# EAGLE board working (EAGLE 9.6.2), part 7 of 28
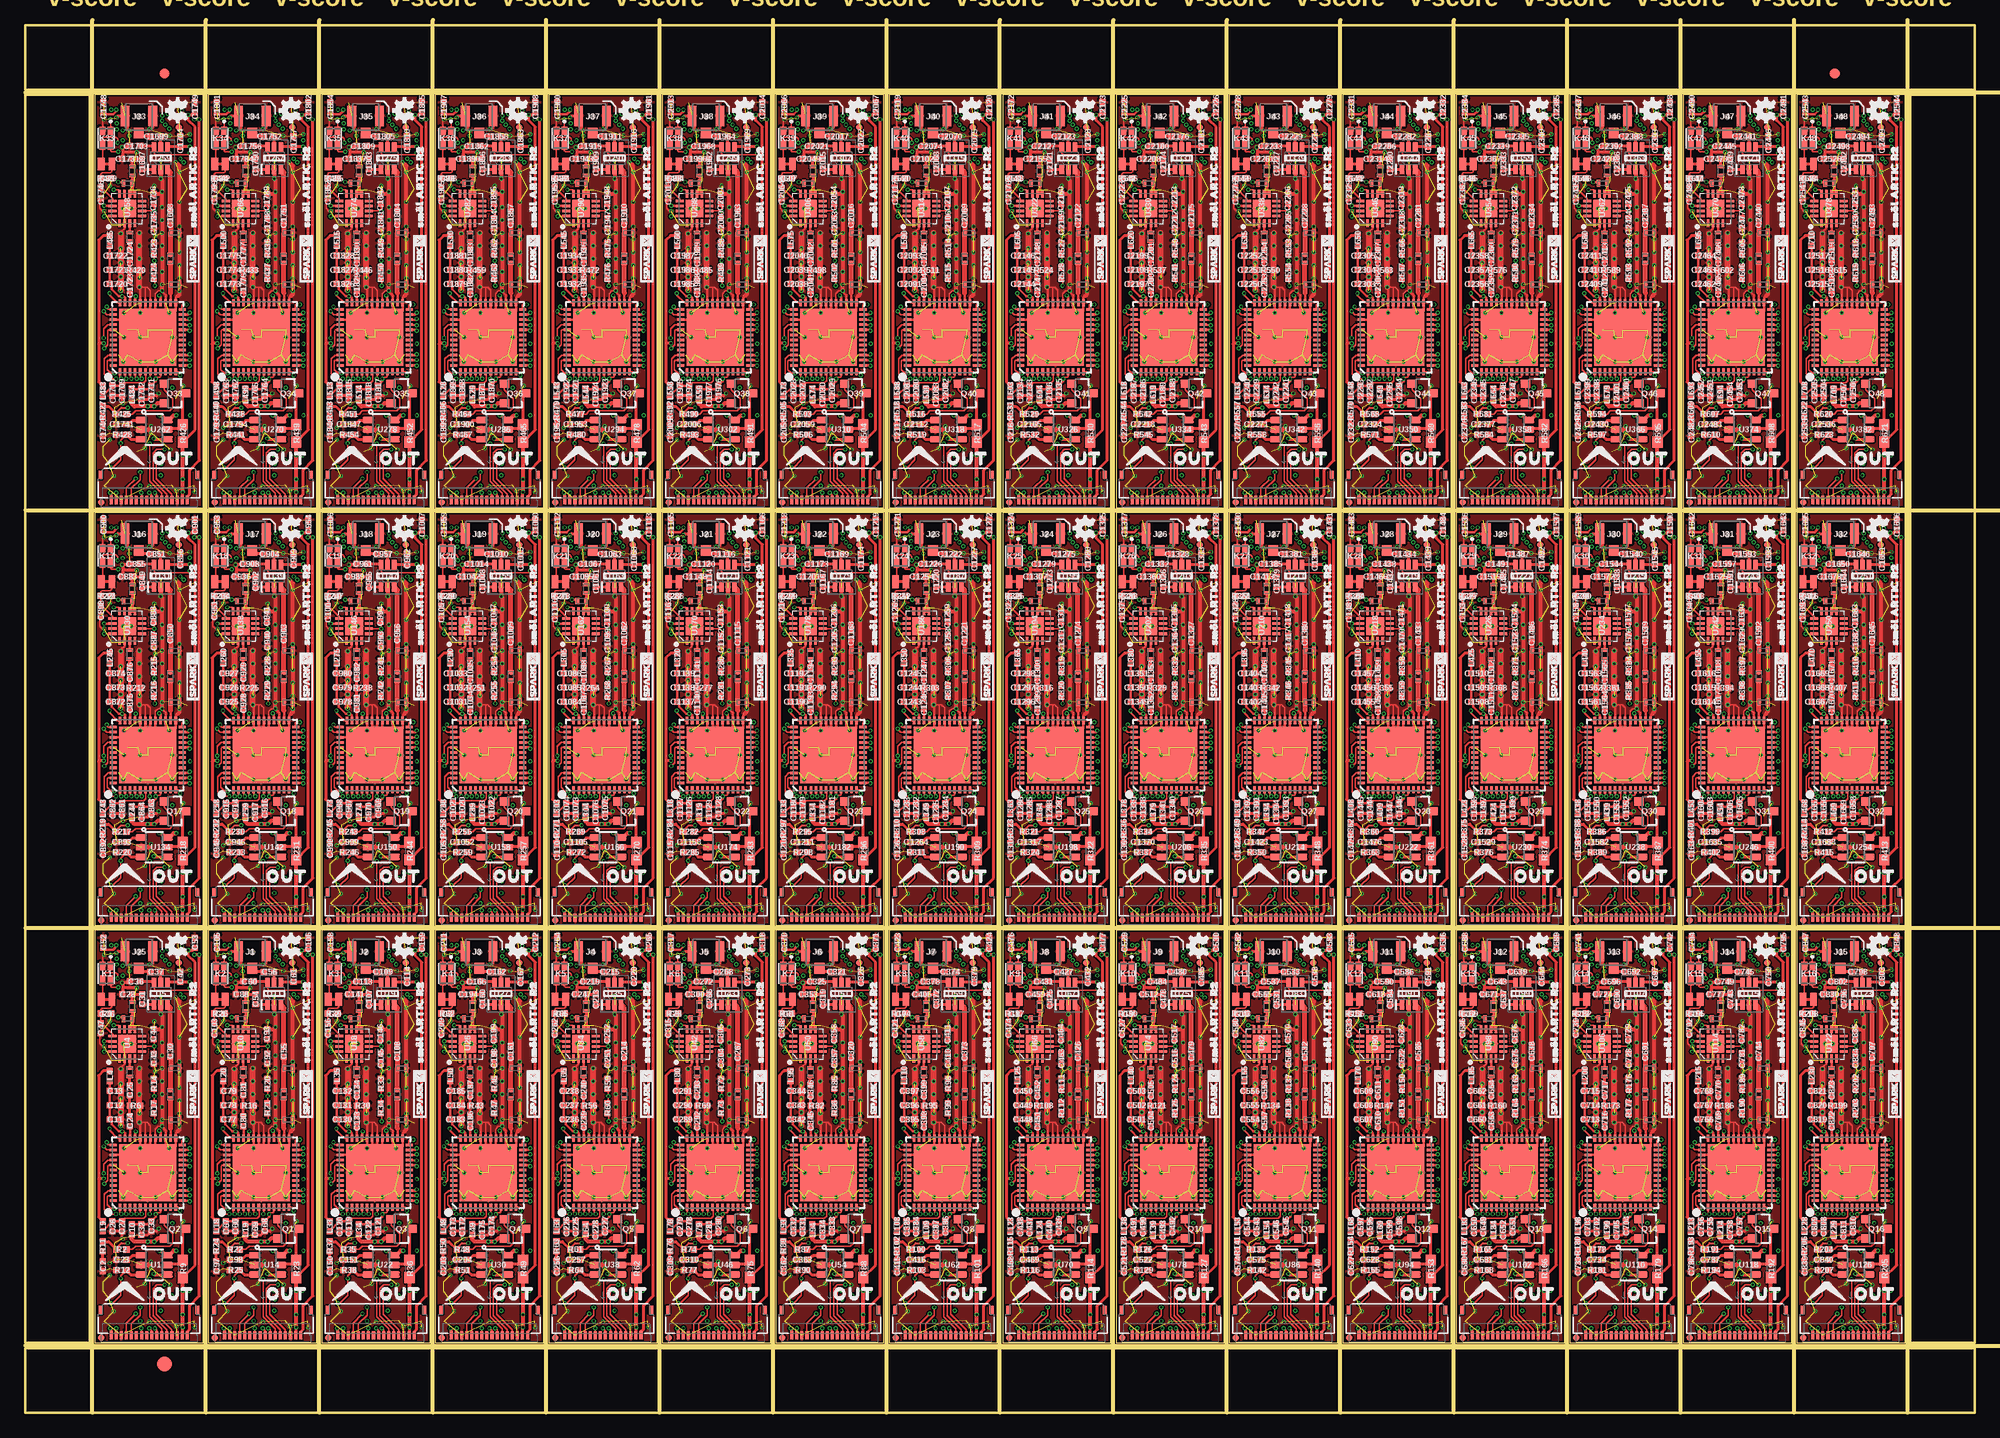
[diagram p0: board, top side]
## Library data of the parts
1V1-1V48 3V0 3V1-3V47 CS0 CS1-CS47 FLSH_CEN FLSH_CEN1-FLSH_CEN47 FLSH_SCLK FLSH_SCLK1-FLSH_SCLK47 FLSH_SI FLSH_SI1-FLSH_SI47 FLSH_SO FLSH_SO1-FLSH_SO47 GPIO0 GPIO1-GPIO47 VDD VDD1-VDD47 = SparkFun-Connectors
C1 C15 C16 C20 C44 C45 C48 C52 C53 C59 C84 C86 C90 C93 C96 C99 C105 C106 C112 C137 C139 C143 C146 C149 C152 C158 C159 C165 C190 C192 C196 C199 C202 C205 C211 C212 C218 C243 C245 C249 C252 C255 C258 C264 C265 C271 C296 C298 C302 C305 C308 C311 C317 C318 C324 C349 C351 C355 C358 C361 C364 C370 C371 C377 C402 C404 C408 C411 C414 C417 C423 C424 C430 C455 C457 C461 C464 C467 C470 C476 C477 C483 C508 C510 C514 C517 C520 C523 C529 C530 C536 C561 C563 C567 C570 C573 C576 C582 C583 C589 C614 C616 C620 C623 C626 C629 C635 C636 C642 C667 C669 C673 C676 C679 C682 C688 C689 C695 C720 C722 C726 C729 C732 C735 C741 C742 C748 C773 C775 C779 C782 C785 C788 C794 C795 C801 C826 C828 C832 C835 C838 C841 C847 C848 C854 C879 C881 C885 C888 C891 C894 C900 C901 C907 C932 C934 C938 C941 C944 C947 C953 C954 C960 C985 C987 C991 C994 C997 C1000 C1006 C1007 C1013 C1038 C1040 C1044 C1047 C1050 C1053 C1059 C1060 C1066 C1091 C1093 C1097 C1100 C1103 C1106 C1112 C1113 C1119 C1144 C1146 C1150 C1153 C1156 C1159 C1165 C1166 C1172 C1197 C1199 C1203 C1206 C1209 C1212 C1218 C1219 C1225 C1250 C1252 C1256 C1259 C1262 C1265 C1271 C1272 C1278 C1303 C1305 C1309 C1312 C1315 C1318 C1324 C1325 C1331 C1356 C1358 C1362 C1365 C1368 C1371 C1377 C1378 C1384 C1409 C1411 C1415 C1418 C1421 C1424 C1430 C1431 C1437 C1462 C1464 C1468 C1471 C1474 C1477 C1483 C1484 C1490 C1515 C1517 C1521 C1524 C1527 C1530 C1536 C1537 C1543 C1568 C1570 C1574 C1577 C1580 C1583 C1589 C1590 C1596 C1621 C1623 C1627 C1630 C1633 C1636 C1642 C1643 C1649 C1674 C1676 C1680 C1683 C1686 C1689 C1695 C1696 C1702 C1727 C1729 C1733 C1736 C1739 C1742 C1748 C1749 C1755 C1780 C1782 C1786 C1789 C1792 C1795 C1801 C1802 C1808 C1833 C1835 C1839 C1842 C1845 C1848 C1854 C1855 C1861 C1886 C1888 C1892 C1895 C1898 C1901 C1907 C1908 C1914 C1939 C1941 C1945 C1948 C1951 C1954 C1960 C1961 C1967 C1992 C1994 C1998 C2001 C2004 C2007 C2013 C2014 C2020 C2045 C2047 C2051 C2054 C2057 C2060 C2066 C2067 C2073 C2098 C2100 C2104 C2107 C2110 C2113 C2119 C2120 C2126 C2151 C2153 C2157 C2160 C2163 C2166 C2172 C2173 C2179 C2204 C2206 C2210 C2213 C2216 C2219 C2225 C2226 C2232 C2257 C2259 C2263 C2266 C2269 C2272 C2278 C2279 C2285 C2310 C2312 C2316 C2319 C2322 C2325 C2331 C2332 C2338 C2363 C2365 C2369 C2372 C2375 C2378 C2384 C2385 C2391 C2416 C2418 C2422 C2425 C2428 C2431 C2437 C2438 C2444 C2469 C2471 C2475 C2478 C2481 C2484 C2490 C2491 C2497 C2522 C2524 C2528 C2531 C2534 C2537 C2543 C2544 = SparkFun-Capacitors; PROD_ID: CAP-14232
C2 C97 C150 C203 C256 C309 C362 C415 C468 C521 C574 C627 C680 C733 C786 C839 C892 C945 C998 C1051 C1104 C1157 C1210 C1263 C1316 C1369 C1422 C1475 C1528 C1581 C1634 C1687 C1740 C1793 C1846 C1899 C1952 C2005 C2058 C2111 C2164 C2217 C2270 C2323 C2376 C2429 C2482 C2535 = SparkFun-Capacitors; PROD_ID: CAP-14847
C3 C4 C9 C12 C23 C46 C57 C58 C74 C78 C98 C101 C110 C111 C127 C131 C151 C154 C163 C164 C180 C184 C204 C207 C216 C217 C233 C237 C257 C260 C269 C270 C286 C290 C310 C313 C322 C323 C339 C343 C363 C366 C375 C376 C392 C396 C416 C419 C428 C429 C445 C449 C469 C472 C481 C482 C498 C502 C522 C525 C534 C535 C551 C555 C575 C578 C587 C588 C604 C608 C628 C631 C640 C641 C657 C661 C681 C684 C693 C694 C710 C714 C734 C737 C746 C747 C763 C767 C787 C790 C799 C800 C816 C820 C840 C843 C852 C853 C869 C873 C893 C896 C905 C906 C922 C926 C946 C949 C958 C959 C975 C979 C999 C1002 C1011 C1012 C1028 C1032 C1052 C1055 C1064 C1065 C1081 C1085 C1105 C1108 C1117 C1118 C1134 C1138 C1158 C1161 C1170 C1171 C1187 C1191 C1211 C1214 C1223 C1224 C1240 C1244 C1264 C1267 C1276 C1277 C1293 C1297 C1317 C1320 C1329 C1330 C1346 C1350 C1370 C1373 C1382 C1383 C1399 C1403 C1423 C1426 C1435 C1436 C1452 C1456 C1476 C1479 C1488 C1489 C1505 C1509 C1529 C1532 C1541 C1542 C1558 C1562 C1582 C1585 C1594 C1595 C1611 C1615 C1635 C1638 C1647 C1648 C1664 C1668 C1688 C1691 C1700 C1701 C1717 C1721 C1741 C1744 C1753 C1754 C1770 C1774 C1794 C1797 C1806 C1807 C1823 C1827 C1847 C1850 C1859 C1860 C1876 C1880 C1900 C1903 C1912 C1913 C1929 C1933 C1953 C1956 C1965 C1966 C1982 C1986 C2006 C2009 C2018 C2019 C2035 C2039 C2059 C2062 C2071 C2072 C2088 C2092 C2112 C2115 C2124 C2125 C2141 C2145 C2165 C2168 C2177 C2178 C2194 C2198 C2218 C2221 C2230 C2231 C2247 C2251 C2271 C2274 C2283 C2284 C2300 C2304 C2324 C2327 C2336 C2337 C2353 C2357 C2377 C2380 C2389 C2390 C2406 C2410 C2430 C2433 C2442 C2443 C2459 C2463 C2483 C2486 C2495 C2496 C2512 C2516 C2536 C2539 = SparkFun-Capacitors; PROD_ID: CAP-12417
C5 C7 C18 C27 C33 C34 C39 C40 C62 C64 C66 C68 C70 C72 C85 C94 C115 C117 C119 C121 C123 C125 C138 C147 C168 C170 C172 C174 C176 C178 C191 C200 C221 C223 C225 C227 C229 C231 C244 C253 C274 C276 C278 C280 C282 C284 C297 C306 C327 C329 C331 C333 C335 C337 C350 C359 C380 C382 C384 C386 C388 C390 C403 C412 C433 C435 C437 C439 C441 C443 C456 C465 C486 C488 C490 C492 C494 C496 C509 C518 C539 C541 C543 C545 C547 C549 C562 C571 C592 C594 C596 C598 C600 C602 C615 C624 C645 C647 C649 C651 C653 C655 C668 C677 C698 C700 C702 C704 C706 C708 C721 C730 C751 C753 C755 C757 C759 C761 C774 C783 C804 C806 C808 C810 C812 C814 C827 C836 C857 C859 C861 C863 C865 C867 C880 C889 C910 C912 C914 C916 C918 C920 C933 C942 C963 C965 C967 C969 C971 C973 C986 C995 C1016 C1018 C1020 C1022 C1024 C1026 C1039 C1048 C1069 C1071 C1073 C1075 C1077 C1079 C1092 C1101 C1122 C1124 C1126 C1128 C1130 C1132 C1145 C1154 C1175 C1177 C1179 C1181 C1183 C1185 C1198 C1207 C1228 C1230 C1232 C1234 C1236 C1238 C1251 C1260 C1281 C1283 C1285 C1287 C1289 C1291 C1304 C1313 C1334 C1336 C1338 C1340 C1342 C1344 C1357 C1366 C1387 C1389 C1391 C1393 C1395 C1397 C1410 C1419 C1440 C1442 C1444 C1446 C1448 C1450 C1463 C1472 C1493 C1495 C1497 C1499 C1501 C1503 C1516 C1525 C1546 C1548 C1550 C1552 C1554 C1556 C1569 C1578 C1599 C1601 C1603 C1605 C1607 C1609 C1622 C1631 C1652 C1654 C1656 C1658 C1660 C1662 C1675 C1684 C1705 C1707 C1709 C1711 C1713 C1715 C1728 C1737 C1758 C1760 C1762 C1764 C1766 C1768 C1781 C1790 C1811 C1813 C1815 C1817 C1819 C1821 C1834 C1843 C1864 C1866 C1868 C1870 C1872 C1874 C1887 C1896 C1917 C1919 C1921 C1923 C1925 C1927 C1940 C1949 C1970 C1972 C1974 C1976 C1978 C1980 C1993 C2002 C2023 C2025 C2027 C2029 C2031 C2033 C2046 C2055 C2076 C2078 C2080 C2082 C2084 C2086 C2099 C2108 C2129 C2131 C2133 C2135 C2137 C2139 C2152 C2161 C2182 C2184 C2186 C2188 C2190 C2192 C2205 C2214 C2235 C2237 C2239 C2241 C2243 C2245 C2258 C2267 C2288 C2290 C2292 C2294 C2296 C2298 C2311 C2320 C2341 C2343 C2345 C2347 C2349 C2351 C2364 C2373 C2394 C2396 C2398 C2400 C2402 C2404 C2417 C2426 C2447 C2449 C2451 C2453 C2455 C2457 C2470 C2479 C2500 C2502 C2504 C2506 C2508 C2510 C2523 C2532 = SparkFun-Capacitors; PROD_ID: CAP-14674
C6 C8 C26 C32 C35 C38 C41 C50 C63 C65 C67 C69 C71 C73 C95 C102 C116 C118 C120 C122 C124 C126 C148 C155 C169 C171 C173 C175 C177 C179 C201 C208 C222 C224 C226 C228 C230 C232 C254 C261 C275 C277 C279 C281 C283 C285 C307 C314 C328 C330 C332 C334 C336 C338 C360 C367 C381 C383 C385 C387 C389 C391 C413 C420 C434 C436 C438 C440 C442 C444 C466 C473 C487 C489 C491 C493 C495 C497 C519 C526 C540 C542 C544 C546 C548 C550 C572 C579 C593 C595 C597 C599 C601 C603 C625 C632 C646 C648 C650 C652 C654 C656 C678 C685 C699 C701 C703 C705 C707 C709 C731 C738 C752 C754 C756 C758 C760 C762 C784 C791 C805 C807 C809 C811 C813 C815 C837 C844 C858 C860 C862 C864 C866 C868 C890 C897 C911 C913 C915 C917 C919 C921 C943 C950 C964 C966 C968 C970 C972 C974 C996 C1003 C1017 C1019 C1021 C1023 C1025 C1027 C1049 C1056 C1070 C1072 C1074 C1076 C1078 C1080 C1102 C1109 C1123 C1125 C1127 C1129 C1131 C1133 C1155 C1162 C1176 C1178 C1180 C1182 C1184 C1186 C1208 C1215 C1229 C1231 C1233 C1235 C1237 C1239 C1261 C1268 C1282 C1284 C1286 C1288 C1290 C1292 C1314 C1321 C1335 C1337 C1339 C1341 C1343 C1345 C1367 C1374 C1388 C1390 C1392 C1394 C1396 C1398 C1420 C1427 C1441 C1443 C1445 C1447 C1449 C1451 C1473 C1480 C1494 C1496 C1498 C1500 C1502 C1504 C1526 C1533 C1547 C1549 C1551 C1553 C1555 C1557 C1579 C1586 C1600 C1602 C1604 C1606 C1608 C1610 C1632 C1639 C1653 C1655 C1657 C1659 C1661 C1663 C1685 C1692 C1706 C1708 C1710 C1712 C1714 C1716 C1738 C1745 C1759 C1761 C1763 C1765 C1767 C1769 C1791 C1798 C1812 C1814 C1816 C1818 C1820 C1822 C1844 C1851 C1865 C1867 C1869 C1871 C1873 C1875 C1897 C1904 C1918 C1920 C1922 C1924 C1926 C1928 C1950 C1957 C1971 C1973 C1975 C1977 C1979 C1981 C2003 C2010 C2024 C2026 C2028 C2030 C2032 C2034 C2056 C2063 C2077 C2079 C2081 C2083 C2085 C2087 C2109 C2116 C2130 C2132 C2134 C2136 C2138 C2140 C2162 C2169 C2183 C2185 C2187 C2189 C2191 C2193 C2215 C2222 C2236 C2238 C2240 C2242 C2244 C2246 C2268 C2275 C2289 C2291 C2293 C2295 C2297 C2299 C2321 C2328 C2342 C2344 C2346 C2348 C2350 C2352 C2374 C2381 C2395 C2397 C2399 C2401 C2403 C2405 C2427 C2434 C2448 C2450 C2452 C2454 C2456 C2458 C2480 C2487 C2501 C2503 C2505 C2507 C2509 C2511 C2533 C2540 = SparkFun-Capacitors; PROD_ID: CAP-14993
C10 C75 C128 C181 C234 C287 C340 C393 C446 C499 C552 C605 C658 C711 C764 C817 C870 C923 C976 C1029 C1082 C1135 C1188 C1241 C1294 C1347 C1400 C1453 C1506 C1559 C1612 C1665 C1718 C1771 C1824 C1877 C1930 C1983 C2036 C2089 C2142 C2195 C2248 C2301 C2354 C2407 C2460 C2513 = SparkFun-Capacitors; PROD_ID: CAP-14243
C11 C19 C21 C22 C24 C25 C30 C31 C36 C37 C42 C43 C47 C54-C56 C60 C61 C77 C80-C83 C89 C92 C103 C107-C109 C113 C114 C130 C133-C136 C142 C145 C156 C160-C162 C166 C167 C183 C186-C189 C195 C198 C209 C213-C215 C219 C220 C236 C239-C242 C248 C251 C262 C266-C268 C272 C273 C289 C292-C295 C301 C304 C315 C319-C321 C325 C326 C342 C345-C348 C354 C357 C368 C372-C374 C378 C379 C395 C398-C401 C407 C410 C421 C425-C427 C431 C432 C448 C451-C454 C460 C463 C474 C478-C480 C484 C485 C501 C504-C507 C513 C516 C527 C531-C533 C537 C538 C554 C557-C560 C566 C569 C580 C584-C586 C590 C591 C607 C610-C613 C619 C622 C633 C637-C639 C643 C644 C660 C663-C666 C672 C675 C686 C690-C692 C696 C697 C713 C716-C719 C725 C728 C739 C743-C745 C749 C750 C766 C769-C772 C778 C781 C792 C796-C798 C802 C803 C819 C822-C825 C831 C834 C845 C849-C851 C855 C856 C872 C875-C878 C884 C887 C898 C902-C904 C908 C909 C925 C928-C931 C937 C940 C951 C955-C957 C961 C962 C978 C981-C984 C990 C993 C1004 C1008-C1010 C1014 C1015 C1031 C1034-C1037 C1043 C1046 C1057 C1061-C1063 C1067 C1068 C1084 C1087-C1090 C1096 C1099 C1110 C1114-C1116 C1120 C1121 C1137 C1140-C1143 C1149 C1152 C1163 C1167-C1169 C1173 C1174 C1190 C1193-C1196 C1202 C1205 C1216 C1220-C1222 C1226 C1227 C1243 C1246-C1249 C1255 C1258 C1269 C1273-C1275 C1279 C1280 C1296 C1299-C1302 C1308 C1311 C1322 C1326-C1328 C1332 C1333 C1349 C1352-C1355 C1361 C1364 C1375 C1379-C1381 C1385 C1386 C1402 C1405-C1408 C1414 C1417 C1428 C1432-C1434 C1438 C1439 C1455 C1458-C1461 C1467 C1470 C1481 C1485-C1487 C1491 C1492 C1508 C1511-C1514 C1520 C1523 C1534 C1538-C1540 C1544 C1545 C1561 C1564-C1567 C1573 C1576 C1587 C1591-C1593 C1597 C1598 C1614 C1617-C1620 C1626 C1629 C1640 C1644-C1646 C1650 C1651 C1667 C1670-C1673 C1679 C1682 C1693 C1697-C1699 C1703 C1704 C1720 C1723-C1726 C1732 C1735 C1746 C1750-C1752 C1756 C1757 C1773 C1776-C1779 C1785 C1788 C1799 C1803-C1805 C1809 C1810 C1826 C1829-C1832 C1838 C1841 C1852 C1856-C1858 C1862 C1863 C1879 C1882-C1885 C1891 C1894 C1905 C1909-C1911 C1915 C1916 C1932 C1935-C1938 C1944 C1947 C1958 C1962-C1964 C1968 C1969 C1985 C1988-C1991 C1997 C2000 C2011 C2015-C2017 C2021 C2022 C2038 C2041-C2044 C2050 C2053 C2064 C2068-C2070 C2074 C2075 C2091 C2094-C2097 C2103 C2106 C2117 C2121-C2123 C2127 C2128 C2144 C2147-C2150 C2156 C2159 C2170 C2174-C2176 C2180 C2181 C2197 C2200-C2203 C2209 C2212 C2223 C2227-C2229 C2233 C2234 C2250 C2253-C2256 C2262 C2265 C2276 C2280-C2282 C2286 C2287 C2303 C2306-C2309 C2315 C2318 C2329 C2333-C2335 C2339 C2340 C2356 C2359-C2362 C2368 C2371 C2382 C2386-C2388 C2392 C2393 C2409 C2412-C2415 C2421 C2424 C2435 C2439-C2441 C2445 C2446 C2462 C2465-C2468 C2474 C2477 C2488 C2492-C2494 C2498 C2499 C2515 C2518-C2521 C2527 C2530 C2541 = SparkFun-Capacitors; PROD_ID: CAP-13458
C13 C14 C79 C91 C132 C144 C185 C197 C238 C250 C291 C303 C344 C356 C397 C409 C450 C462 C503 C515 C556 C568 C609 C621 C662 C674 C715 C727 C768 C780 C821 C833 C874 C886 C927 C939 C980 C992 C1033 C1045 C1086 C1098 C1139 C1151 C1192 C1204 C1245 C1257 C1298 C1310 C1351 C1363 C1404 C1416 C1457 C1469 C1510 C1522 C1563 C1575 C1616 C1628 C1669 C1681 C1722 C1734 C1775 C1787 C1828 C1840 C1881 C1893 C1934 C1946 C1987 C1999 C2040 C2052 C2093 C2105 C2146 C2158 C2199 C2211 C2252 C2264 C2305 C2317 C2358 C2370 C2411 C2423 C2464 C2476 C2517 C2529 = SparkFun-Capacitors; PROD_ID: CAP-14848
C17 C76 C129 C182 C235 C288 C341 C394 C447 C500 C553 C606 C659 C712 C765 C818 C871 C924 C977 C1030 C1083 C1136 C1189 C1242 C1295 C1348 C1401 C1454 C1507 C1560 C1613 C1666 C1719 C1772 C1825 C1878 C1931 C1984 C2037 C2090 C2143 C2196 C2249 C2302 C2355 C2408 C2461 C2514 = SparkFun-Capacitors; PROD_ID: CAP-14280
C28 C88 C141 C194 C247 C300 C353 C406 C459 C512 C565 C618 C671 C724 C777 C830 C883 C936 C989 C1042 C1095 C1148 C1201 C1254 C1307 C1360 C1413 C1466 C1519 C1572 C1625 C1678 C1731 C1784 C1837 C1890 C1943 C1996 C2049 C2102 C2155 C2208 C2261 C2314 C2367 C2420 C2473 C2526 = SparkFun-Capacitors; MOUSER_PART: 609-500R07S9R1CV4T; PROD_ID: CAP-15278
C29 C87 C140 C193 C246 C299 C352 C405 C458 C511 C564 C617 C670 C723 C776 C829 C882 C935 C988 C1041 C1094 C1147 C1200 C1253 C1306 C1359 C1412 C1465 C1518 C1571 C1624 C1677 C1730 C1783 C1836 C1889 C1942 C1995 C2048 C2101 C2154 C2207 C2260 C2313 C2366 C2419 C2472 C2525 = SparkFun-Capacitors; PROD_ID: CAP-14351
C49 C51 C100 C104 C153 C157 C206 C210 C259 C263 C312 C316 C365 C369 C418 C422 C471 C475 C524 C528 C577 C581 C630 C634 C683 C687 C736 C740 C789 C793 C842 C846 C895 C899 C948 C952 C1001 C1005 C1054 C1058 C1107 C1111 C1160 C1164 C1213 C1217 C1266 C1270 C1319 C1323 C1372 C1376 C1425 C1429 C1478 C1482 C1531 C1535 C1584 C1588 C1637 C1641 C1690 C1694 C1743 C1747 C1796 C1800 C1849 C1853 C1902 C1906 C1955 C1959 C2008 C2012 C2061 C2065 C2114 C2118 C2167 C2171 C2220 C2224 C2273 C2277 C2326 C2330 C2379 C2383 C2432 C2436 C2485 C2489 C2538 C2542 = SparkFun-Capacitors; PROD_ID: CAP-15083
E$1-E$4 FD1-FD192 LOGO1-LOGO96 = SparkFun-Aesthetics
E$5 E$6 = SparkFun-Retired
G1-G48 = SparkFun-Jumpers
IN IN1-IN47 OUT OUT1-OUT47 = SparkFun-Connectors; PROD_ID: CONN-16066
J1-J48 = SparkFun-Connectors; PROD_ID: CONN-09193
K1-K48 = SparkFun-DiscreteSemi; DESCRIPTION: Solid State Relays - PCB Mount Photo-IC 400mA 60V 500Vrms; DIGIKEY_PART: 264-TLP3475SRHA(TPECT-ND - Cut Tape (CT); MANUFACTURER_NAME: Toshiba; MANUFACTURER_PART_NUMBER: TLP3475SRHA; PROD_ID: IC-16019
L1-L4 L9 L10 L13-L22 L29-L37 L44-L52 L59-L67 L74-L82 L89-L97 L104-L112 L119-L127 L134-L142 L149-L157 L164-L172 L179-L187 L194-L202 L209-L217 L224-L232 L239-L247 L254-L262 L269-L277 L284-L292 L299-L307 L314-L322 L329-L337 L344-L352 L359-L367 L374-L382 L389-L397 L404-L412 L419-L427 L434-L442 L449-L457 L464-L472 L479-L487 L494-L502 L509-L517 L524-L532 L539-L547 L554-L562 L569-L577 L584-L592 L599-L607 L614-L622 L629-L637 L644-L652 L659-L667 L674-L682 L689-L697 L704-L712 L719 L720 = SparkFun-Coils; PROD_ID: NDUC-15133
L5 L24 L39 L54 L69 L84 L99 L114 L129 L144 L159 L174 L189 L204 L219 L234 L249 L264 L279 L294 L309 L324 L339 L354 L369 L384 L399 L414 L429 L444 L459 L474 L489 L504 L519 L534 L549 L564 L579 L594 L609 L624 L639 L654 L669 L684 L699 L714 = SparkFun-Coils; MOUSER_PART: 994-0402HP-15NXGLU; PROD_ID: NDUC-15272
L6 L25 L40 L55 L70 L85 L100 L115 L130 L145 L160 L175 L190 L205 L220 L235 L250 L265 L280 L295 L310 L325 L340 L355 L370 L385 L400 L415 L430 L445 L460 L475 L490 L505 L520 L535 L550 L565 L580 L595 L610 L625 L640 L655 L670 L685 L700 L715 = SparkFun-Coils; MOUSER_PART: 994-0402HP-27NXGLU; PROD_ID: NDUC-15273
L7 L23 L38 L53 L68 L83 L98 L113 L128 L143 L158 L173 L188 L203 L218 L233 L248 L263 L278 L293 L308 L323 L338 L353 L368 L383 L398 L413 L428 L443 L458 L473 L488 L503 L518 L533 L548 L563 L578 L593 L608 L623 L638 L653 L668 L683 L698 L713 = SparkFun-Coils; MOUSER_PART: 994-0402HP-18NXGLU; PROD_ID: NDUC-15277
L8 L26 L41 L56 L71 L86 L101 L116 L131 L146 L161 L176 L191 L206 L221 L236 L251 L266 L281 L296 L311 L326 L341 L356 L371 L386 L401 L416 L431 L446 L461 L476 L491 L506 L521 L536 L551 L566 L581 L596 L611 L626 L641 L656 L671 L686 L701 L716 = SparkFun-Coils; MOUSER_PART: 994-0402HP-12NXGLU; PROD_ID: NDUC-15271
L11 L27 L42 L57 L72 L87 L102 L117 L132 L147 L162 L177 L192 L207 L222 L237 L252 L267 L282 L297 L312 L327 L342 L357 L372 L387 L402 L417 L432 L447 L462 L477 L492 L507 L522 L537 L552 L567 L582 L597 L612 L627 L642 L657 L672 L687 L702 L717 = SparkFun-Coils; MOUSER_PART: 994-0402HP-30NXGLU; PROD_ID: NDUC-15275
L12 L28 L43 L58 L73 L88 L103 L118 L133 L148 L163 L178 L193 L208 L223 L238 L253 L268 L283 L298 L313 L328 L343 L358 L373 L388 L403 L418 L433 L448 L463 L478 L493 L508 L523 L538 L553 L568 L583 L598 L613 L628 L643 L658 L673 L688 L703 L718 = SparkFun-Coils; MOUSER_PART: 994-0402HP-51NXGLU; PROD_ID: NDUC-15276
Q1-Q48 = SparkFun-DiscreteSemi; PROD_ID: TRANS-12988
R1 R7 R12 R18 R25 R26 R31 R38 R39 R44 R51 R52 R57 R64 R65 R70 R77 R78 R83 R90 R91 R96 R103 R104 R109 R116 R117 R122 R129 R130 R135 R142 R143 R148 R155 R156 R161 R168 R169 R174 R181 R182 R187 R194 R195 R200 R207 R208 R213 R220 R221 R226 R233 R234 R239 R246 R247 R252 R259 R260 R265 R272 R273 R278 R285 R286 R291 R298 R299 R304 R311 R312 R317 R324 R325 R330 R337 R338 R343 R350 R351 R356 R363 R364 R369 R376 R377 R382 R389 R390 R395 R402 R403 R408 R415 R416 R421 R428 R429 R434 R441 R442 R447 R454 R455 R460 R467 R468 R473 R480 R481 R486 R493 R494 R499 R506 R507 R512 R519 R520 R525 R532 R533 R538 R545 R546 R551 R558 R559 R564 R571 R572 R577 R584 R585 R590 R597 R598 R603 R610 R611 R616 R623 R624 = SparkFun-Resistors; PROD_ID: RES-14241
R2 R11 R22 R24 R35 R37 R48 R50 R61 R63 R74 R76 R87 R89 R100 R102 R113 R115 R126 R128 R139 R141 R152 R154 R165 R167 R178 R180 R191 R193 R204 R206 R217 R219 R230 R232 R243 R245 R256 R258 R269 R271 R282 R284 R295 R297 R308 R310 R321 R323 R334 R336 R347 R349 R360 R362 R373 R375 R386 R388 R399 R401 R412 R414 R425 R427 R438 R440 R451 R453 R464 R466 R477 R479 R490 R492 R503 R505 R516 R518 R529 R531 R542 R544 R555 R557 R568 R570 R581 R583 R594 R596 R607 R609 R620 R622 = SparkFun-Resistors; PROD_ID: RES-14962
R3 R19 R32 R45 R58 R71 R84 R97 R110 R123 R136 R149 R162 R175 R188 R201 R214 R227 R240 R253 R266 R279 R292 R305 R318 R331 R344 R357 R370 R383 R396 R409 R422 R435 R448 R461 R474 R487 R500 R513 R526 R539 R552 R565 R578 R591 R604 R617 = SparkFun-Resistors; PROD_ID: RES-15270
R4 R15 R29 R42 R55 R68 R81 R94 R107 R120 R133 R146 R159 R172 R185 R198 R211 R224 R237 R250 R263 R276 R289 R302 R315 R328 R341 R354 R367 R380 R393 R406 R419 R432 R445 R458 R471 R484 R497 R510 R523 R536 R549 R562 R575 R588 R601 R614 = SparkFun-Resistors; PROD_ID: RES-15128
R5 R8 R10 R13 R27 R28 R40 R41 R53 R54 R66 R67 R79 R80 R92 R93 R105 R106 R118 R119 R131 R132 R144 R145 R157 R158 R170 R171 R183 R184 R196 R197 R209 R210 R222 R223 R235 R236 R248 R249 R261 R262 R274 R275 R287 R288 R300 R301 R313 R314 R326 R327 R339 R340 R352 R353 R365 R366 R378 R379 R391 R392 R404 R405 R417 R418 R430 R431 R443 R444 R456 R457 R469 R470 R482 R483 R495 R496 R508 R509 R521 R522 R534 R535 R547 R548 R560 R561 R573 R574 R586 R587 R599 R600 R612 R613 = SparkFun-Resistors; PROD_ID: RES-13495
R6 R16 R30 R43 R56 R69 R82 R95 R108 R121 R134 R147 R160 R173 R186 R199 R212 R225 R238 R251 R264 R277 R290 R303 R316 R329 R342 R355 R368 R381 R394 R407 R420 R433 R446 R459 R472 R485 R498 R511 R524 R537 R550 R563 R576 R589 R602 R615 = SparkFun-Resistors; PROD_ID: RES-15269
R9 R23 R36 R49 R62 R75 R88 R101 R114 R127 R140 R153 R166 R179 R192 R205 R218 R231 R244 R257 R270 R283 R296 R309 R322 R335 R348 R361 R374 R387 R400 R413 R426 R439 R452 R465 R478 R491 R504 R517 R530 R543 R556 R569 R582 R595 R608 R621 = SparkFun-Resistors; PROD_ID: RES-15715
R14 R20 R33 R46 R59 R72 R85 R98 R111 R124 R137 R150 R163 R176 R189 R202 R215 R228 R241 R254 R267 R280 R293 R306 R319 R332 R345 R358 R371 R384 R397 R410 R423 R436 R449 R462 R475 R488 R501 R514 R527 R540 R553 R566 R579 R592 R605 R618 = SparkFun-Resistors; PROD_ID: RES-15584
R17 R21 R34 R47 R60 R73 R86 R99 R112 R125 R138 R151 R164 R177 R190 R203 R216 R229 R242 R255 R268 R281 R294 R307 R320 R333 R346 R359 R372 R385 R398 R411 R424 R437 R450 R463 R476 R489 R502 R515 R528 R541 R554 R567 R580 R593 R606 R619 = SparkFun-Resistors; PROD_ID: RES-15585
U1 U14 U22 U30 U38 U46 U54 U62 U70 U78 U86 U94 U102 U110 U118 U126 U134 U142 U150 U158 U166 U174 U182 U190 U198 U206 U214 U222 U230 U238 U246 U254 U262 U270 U278 U286 U294 U302 U310 U318 U326 U334 U342 U350 U358 U366 U374 U382 = SparkFun-IC-Power; PROD_ID: IC-14694
U2 U12 U20 U28 U36 U44 U52 U60 U68 U76 U84 U92 U100 U108 U116 U124 U132 U140 U148 U156 U164 U172 U180 U188 U196 U204 U212 U220 U228 U236 U244 U252 U260 U268 U276 U284 U292 U300 U308 U316 U324 U332 U340 U348 U356 U364 U372 U380 = SparkFun-IC-Power; PROD_ID: VREG-08428
U3 U9 U17 U25 U33 U41 U49 U57 U65 U73 U81 U89 U97 U105 U113 U121 U129 U137 U145 U153 U161 U169 U177 U185 U193 U201 U209 U217 U225 U233 U241 U249 U257 U265 U273 U281 U289 U297 U305 U313 U321 U329 U337 U345 U353 U361 U369 U377 = SparkFun-RF; PROD_ID: IC-15312
U4 U10 U18 U26 U34 U42 U50 U58 U66 U74 U82 U90 U98 U106 U114 U122 U130 U138 U146 U154 U162 U170 U178 U186 U194 U202 U210 U218 U226 U234 U242 U250 U258 U266 U274 U282 U290 U298 U306 U314 U322 U330 U338 U346 U354 U362 U370 U378 = SparkFun-RF; MANUFACTURER_NAME: Qorvo; MANUFACTURER_PART_NUMBER: RFPA0133TR7; MOUSER_PART_NUMBER: 772-RFPA0133; PROD_ID: IC-15274
U5 U11 U19 U27 U35 U43 U51 U59 U67 U75 U83 U91 U99 U107 U115 U123 U131 U139 U147 U155 U163 U171 U179 U187 U195 U203 U211 U219 U227 U235 U243 U251 U259 U267 U275 U283 U291 U299 U307 U315 U323 U331 U339 U347 U355 U363 U371 U379 = SparkFun-RF; PROD_ID: IC-15047
U6 U13 U21 U29 U37 U45 U53 U61 U69 U77 U85 U93 U101 U109 U117 U125 U133 U141 U149 U157 U165 U173 U181 U189 U197 U205 U213 U221 U229 U237 U245 U253 U261 U269 U277 U285 U293 U301 U309 U317 U325 U333 U341 U349 U357 U365 U373 U381 = SparkFun-IC-Power; DIGIKEY_PART: 296-40357-1-ND; MANU_PART: LP5907MFX-3.0/NOPB; MOUSER_PART: 595-LP5907MFX-3.0NPB; PACKAGE: SOT-23(5); PROD_ID: VREG-15586
U7 U15 U23 U31 U39 U47 U55 U63 U71 U79 U87 U95 U103 U111 U119 U127 U135 U143 U151 U159 U167 U175 U183 U191 U199 U207 U215 U223 U231 U239 U247 U255 U263 U271 U279 U287 U295 U303 U311 U319 U327 U335 U343 U351 U359 U367 U375 U383 = SparkFun-IC-Memory; DIGIKEY_PART: SST25VF020B-80-4I-Q3AE-TCT-ND; MANU_PART: SST25VF020B-80-4I-Q3AE-T; PROD_ID: IC-15716
U8 U16 U24 U32 U40 U48 U56 U64 U72 U80 U88 U96 U104 U112 U120 U128 U136 U144 U152 U160 U168 U176 U184 U192 U200 U208 U216 U224 U232 U240 U248 U256 U264 U272 U280 U288 U296 U304 U312 U320 U328 U336 U344 U352 U360 U368 U376 U384 = SparkFun-IC-Conversion; PROD_ID: IC-15034
U$1 U$7 U$9-U$11 U$14-U$16 U$19 U$22-U$24 U$27 U$30-U$32 U$35 U$38-U$40 U$43 U$46-U$48 U$51 U$54-U$56 U$59 U$62-U$64 U$67 U$70-U$72 U$75 U$78-U$80 U$83 U$86-U$88 U$91 U$94-U$96 U$99 U$102-U$104 U$107 U$110-U$112 U$115 U$118-U$120 U$123 U$126-U$128 U$131 U$134-U$136 U$139 U$142-U$144 U$147 U$150-U$152 U$155 U$158-U$160 U$163 U$166-U$168 U$171 U$174-U$176 U$179 U$182-U$184 U$187 U$190-U$192 U$195 U$198-U$200 U$203 U$206-U$208 U$211 U$214-U$216 U$219 U$222-U$224 U$227 U$230-U$232 U$235 U$238-U$240 U$243 U$246-U$248 U$251 U$254-U$256 U$259 U$262-U$264 U$267 U$270-U$272 U$275 U$278-U$280 U$283 U$286-U$288 U$291 U$294-U$296 U$299 U$302-U$304 U$307 U$310-U$312 U$315 U$318-U$320 U$323 U$326-U$328 U$331 U$334-U$336 U$339 U$342-U$344 U$347 U$350-U$352 U$355 U$358-U$360 U$363 U$366-U$368 U$371 U$374-U$376 U$379 U$382-U$384 = output
U$2-U$6 U$8 U$12 U$13 U$17 U$18 U$20 U$21 U$25 U$26 U$28 U$29 U$33 U$34 U$36 U$37 U$41 U$42 U$44 U$45 U$49 U$50 U$52 U$53 U$57 U$58 U$60 U$61 U$65 U$66 U$68 U$69 U$73 U$74 U$76 U$77 U$81 U$82 U$84 U$85 U$89 U$90 U$92 U$93 U$97 U$98 U$100 U$101 U$105 U$106 U$108 U$109 U$113 U$114 U$116 U$117 U$121 U$122 U$124 U$125 U$129 U$130 U$132 U$133 U$137 U$138 U$140 U$141 U$145 U$146 U$148 U$149 U$153 U$154 U$156 U$157 U$161 U$162 U$164 U$165 U$169 U$170 U$172 U$173 U$177 U$178 U$180 U$181 U$185 U$186 U$188 U$189 U$193 U$194 U$196 U$197 U$201 U$202 U$204 U$205 U$209 U$210 U$212 U$213 U$217 U$218 U$220 U$221 U$225 U$226 U$228 U$229 U$233 U$234 U$236 U$237 U$241 U$242 U$244 U$245 U$249 U$250 U$252 U$253 U$257 U$258 U$260 U$261 U$265 U$266 U$268 U$269 U$273 U$274 U$276 U$277 U$281 U$282 U$284 U$285 U$289 U$290 U$292 U$293 U$297 U$298 U$300 U$301 U$305 U$306 U$308 U$309 U$313 U$314 U$316 U$317 U$321 U$322 U$324 U$325 U$329 U$330 U$332 U$333 U$337 U$338 U$340 U$341 U$345 U$346 U$348 U$349 U$353 U$354 U$356 U$357 U$361 U$362 U$364 U$365 U$369 U$370 U$372 U$373 U$377 U$378 U$380 U$381 = SparkX
X1-X48 = SparkFun-Clocks; MOUSER_PART: 449-LFTCXO073004CUTT; PROD_ID: XTAL-15279
